# KiCad board PC104_PCI_CAN_Express.kicad_pcb
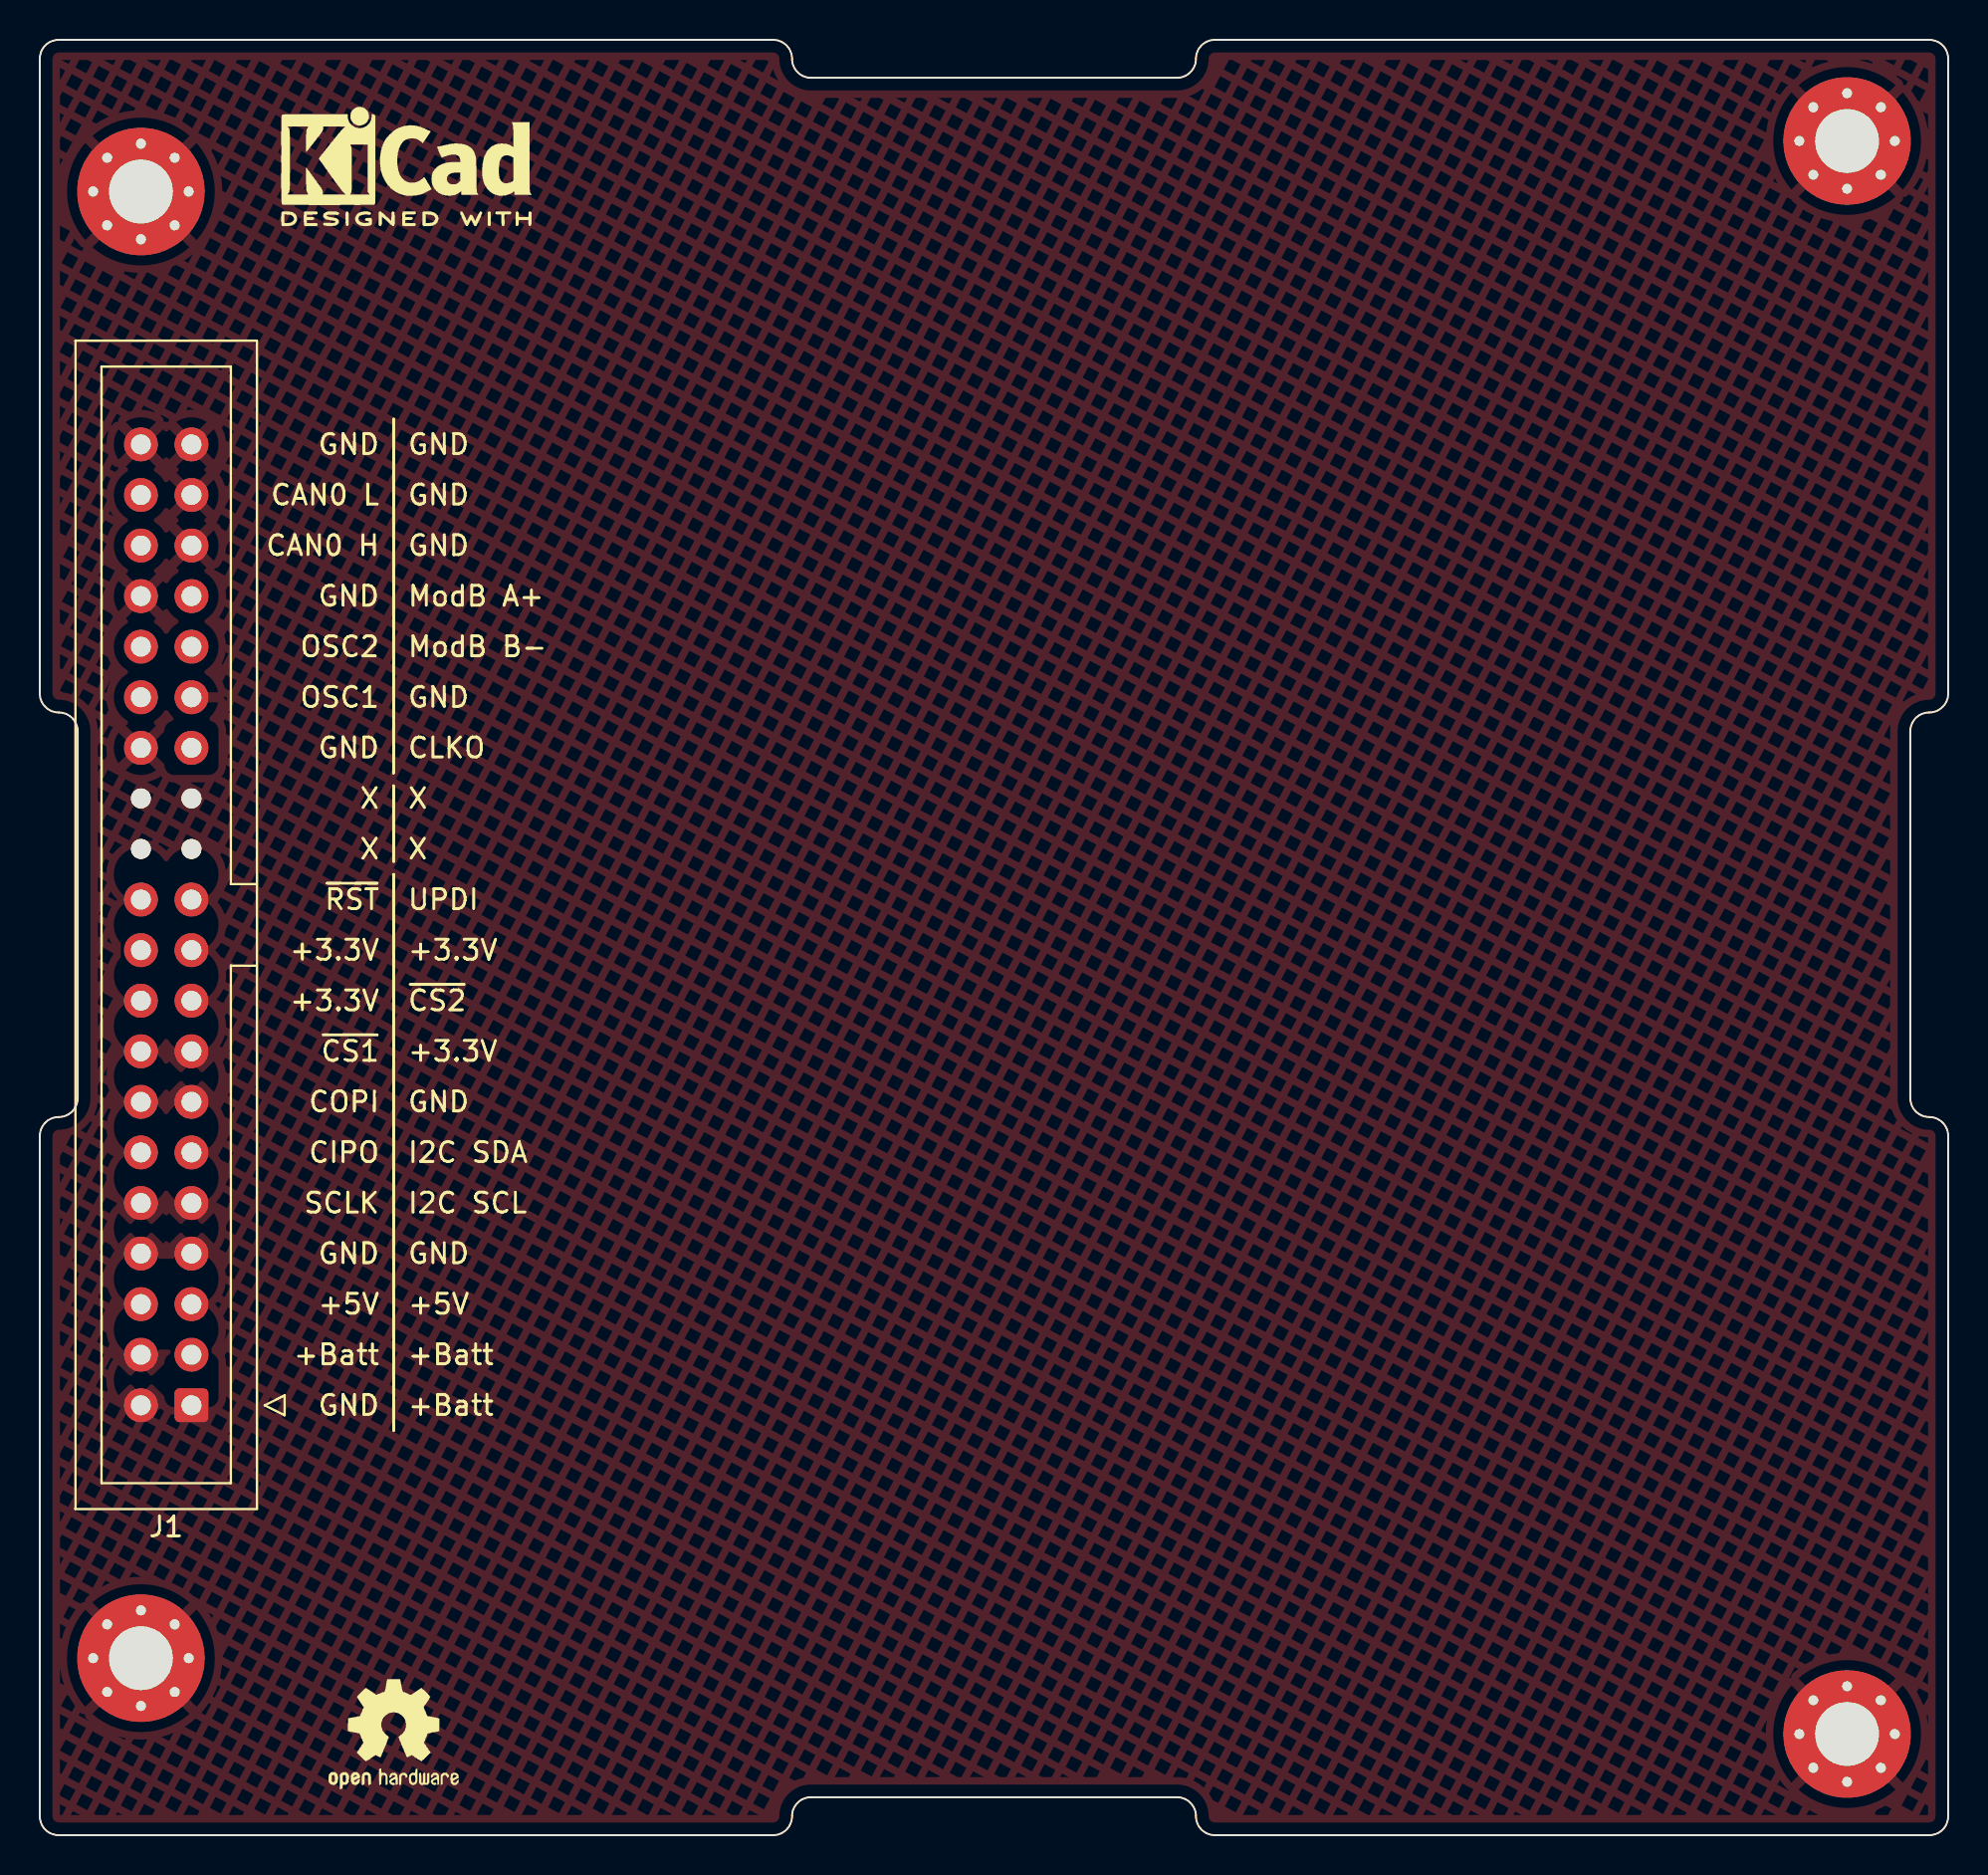
[diagram p0: board, top side]
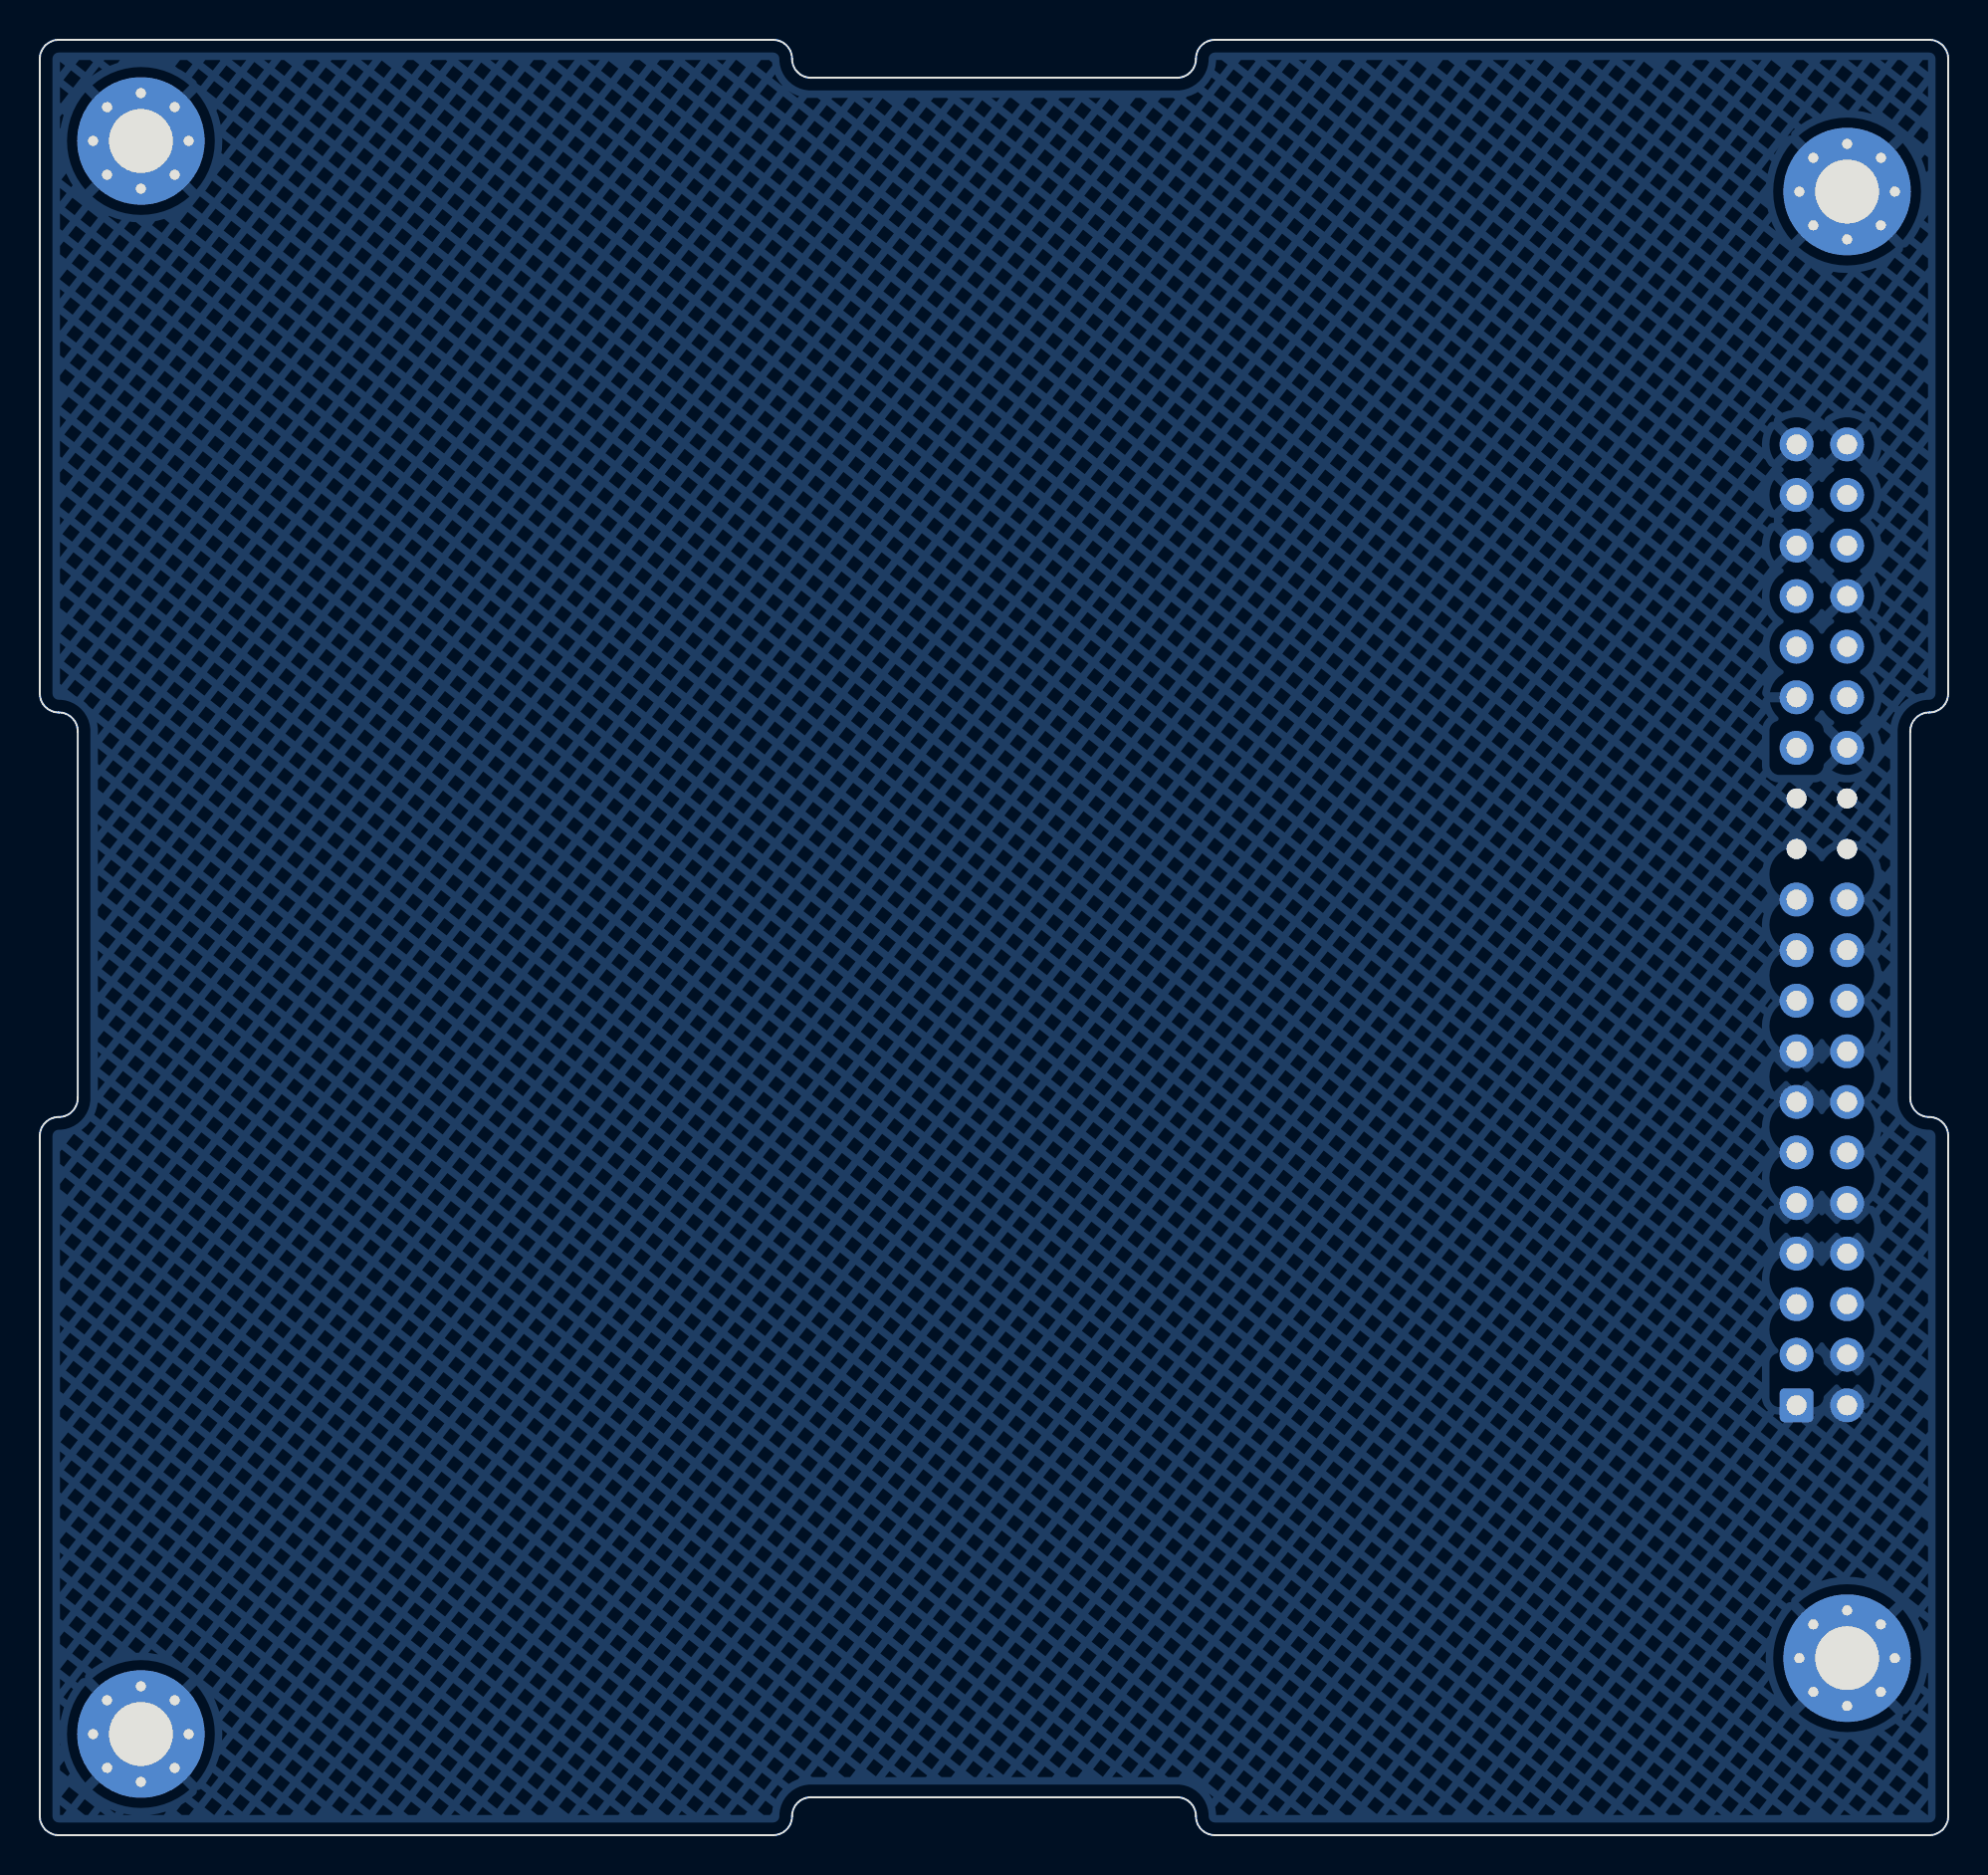
[diagram p1: board, bottom side, seen from below]

Outline 95.88 x 90.17 mm; copper layers: Top, Bottom. Coordinates in mm from the lower left corner of the outline.
Outline path: 0,89.22 arc(0.28,89.89) 0.95,90.17 36.84,90.17 arc(37.52,89.89) 37.8,89.22 arc(38.07,88.54) 38.75,88.27 57.14,88.27 arc(57.81,88.54) 58.09,89.22 arc(58.37,89.89) 59.04,90.17 94.93,90.17 arc(95.61,89.89) 95.88,89.22 95.88,57.34 arc(95.61,56.67) 94.93,56.39 arc(94.26,56.11) 93.98,55.44 93.98,37.02 arc(94.26,36.35) 94.93,36.07 arc(95.61,35.79) 95.88,35.12 95.88,0.95 arc(95.61,0.28) 94.93,0 59.04,0 arc(58.37,0.28) 58.09,0.95 arc(57.81,1.63) 57.14,1.91 38.75,1.91 arc(38.07,1.63) 37.8,0.95 arc(37.52,0.28) 36.84,0 0.95,0 arc(0.28,0.28) 0,0.95 0,35.12 arc(0.28,35.79) 0.95,36.07 arc(1.63,36.35) 1.91,37.02 1.91,55.44 arc(1.63,56.11) 0.95,56.39 arc(0.28,56.67) 0,57.34 0,89.22
Stack: Top 0.035mm / dielectric 1.51mm FR4 er 4.5 / Bottom 0.035mm

## Placement (name value [footprint] x y rotation side)
H1  MountingHole_Pad  [MountingHole_3.2mm_M3_Pad_Via]  5.08 8.89 0 top
H2  MountingHole_Pad  [MountingHole_3.2mm_M3_Pad_Via]  5.08 82.55 0 top
H3  MountingHole_Pad  [MountingHole_3.2mm_M3_Pad_Via]  90.81 5.08 0 top
H4  MountingHole_Pad  [MountingHole_3.2mm_M3_Pad_Via]  90.81 85.09 0 top
J1  Conn_02x20_Odd_Even  [IDC-Header_2x20_P2.54mm_Vertical]  7.62 21.59 180 top
KiCad0  MountingHole  [KiCad-Logo2_5mm_SilkScreen]  18.42 83.82 0 top
OpenHW1  MountingHole  [OSHW-Logo2_7.3x6mm_SilkScreen]  17.78 5.08 0 top

## Library data of the parts
H1-H4 = -: ki_fp_filters: MountingHole*Pad*
J1 = -: Description: Generic connector, double row, 02x20, odd/even pin numbering scheme (row 1 odd numbers, row 2 even numbers), script generated (kicad-library-utils/schlib/autogen/connector/); ki_fp_filters: Connector*:*_2x??_*
KiCad0 OpenHW1 = -: ki_fp_filters: MountingHole*

## Footprints (pads in the part's own frame, mm; a bottom-side part is the same pattern mirrored in y, then rotated)
IDC-Header_2x20_P2.54mm_Vertical
  round 1.7 hole 1 unplated: (0,-27.94) (0,-30.48) (2.54,-27.94) (2.54,-30.48)
  rrect 1.7x1.7 hole 1: 1(0,0)
  round 1.7 hole 1: 2(2.54,0) 3(0,-2.54) 4(2.54,-2.54) 5(0,-5.08) 6(2.54,-5.08) 7(0,-7.62) 8(2.54,-7.62) 9(0,-10.16) 10(2.54,-10.16) 11(0,-12.7) 12(2.54,-12.7) 13(0,-15.24) 14(2.54,-15.24) 15(0,-17.78) 16(2.54,-17.78) 17(0,-20.32) 18(2.54,-20.32) 19(0,-22.86) 20(2.54,-22.86) 21(0,-25.4) 22(2.54,-25.4) 27(0,-33.02) 28(2.54,-33.02) 29(0,-35.56) 30(2.54,-35.56) 31(0,-38.1) 32(2.54,-38.1) 33(0,-40.64) 34(2.54,-40.64) 35(0,-43.18) 36(2.54,-43.18) 37(0,-45.72) 38(2.54,-45.72) 39(0,-48.26) 40(2.54,-48.26)
MountingHole_3.2mm_M3_Pad_Via
  round 0.8 hole 0.5: 1(-2.4,0) 1(-1.697,1.697) 1(-1.697,-1.697) 1(0,2.4) 1(0,-2.4) 1(1.697,1.697) 1(1.697,-1.697) 1(2.4,0)
  round 6.4 hole 3.2: 1(0,0)

## Nets
+3V3: J1.15 J1.18 J1.19 J1.20
+5V: J1.5 J1.6
GND: H1.1 H2.1 H3.1 H4.1 J1.2 J1.7 J1.8 J1.13 J1.28 J1.29 J1.34 J1.35 J1.37 J1.39 J1.40
+BATT: J1.1 J1.3 J1.4
/Connection PCI CAN Express/CAN_0_H: J1.36
/Connection PCI CAN Express/CAN_0_L: J1.38
/Connection PCI CAN Express/CLKO: J1.27
/Connection PCI CAN Express/I2C_SCL: J1.9
/Connection PCI CAN Express/I2C_SDA: J1.11
/Connection PCI CAN Express/ModBus_A: J1.31
/Connection PCI CAN Express/ModBus_B: J1.33
/Connection PCI CAN Express/OSC1: J1.30
/Connection PCI CAN Express/OSC2: J1.32
/Connection PCI CAN Express/SPI_CIPO: J1.12
/Connection PCI CAN Express/SPI_CLK: J1.10
/Connection PCI CAN Express/SPI_COPI: J1.14
/Connection PCI CAN Express/UPDI: J1.21
/Connection PCI CAN Express/~{RESET}: J1.22
/Connection PCI CAN Express/~{SPI_CS1}: J1.16
/Connection PCI CAN Express/~{SPI_CS2}: J1.17

## Copper pours and planes (outline as drawn; the poured copper is in the pictures)
GND on Top: 121.29,-24.13 -14.6,-24.13 -14.6,109.22 121.29,109.22
GND on Bottom: 123.83,-26.67 -17.14,-26.67 -17.14,111.12 123.83,111.12

## Text on the board
F.Silkscreen: GND | ModB A+ | ModB B- | CLKO | X | UPDI | +3.3V | ~{CS2} | I2C SDA | I2C SCL | +5V | +Batt | CAN0 L | CAN0 H | OSC2 | OSC1 | ~{RST} | ~{CS1} | COPI | CIPO | SCLK
